# KiCad board q2v2.kicad_pcb (continued)
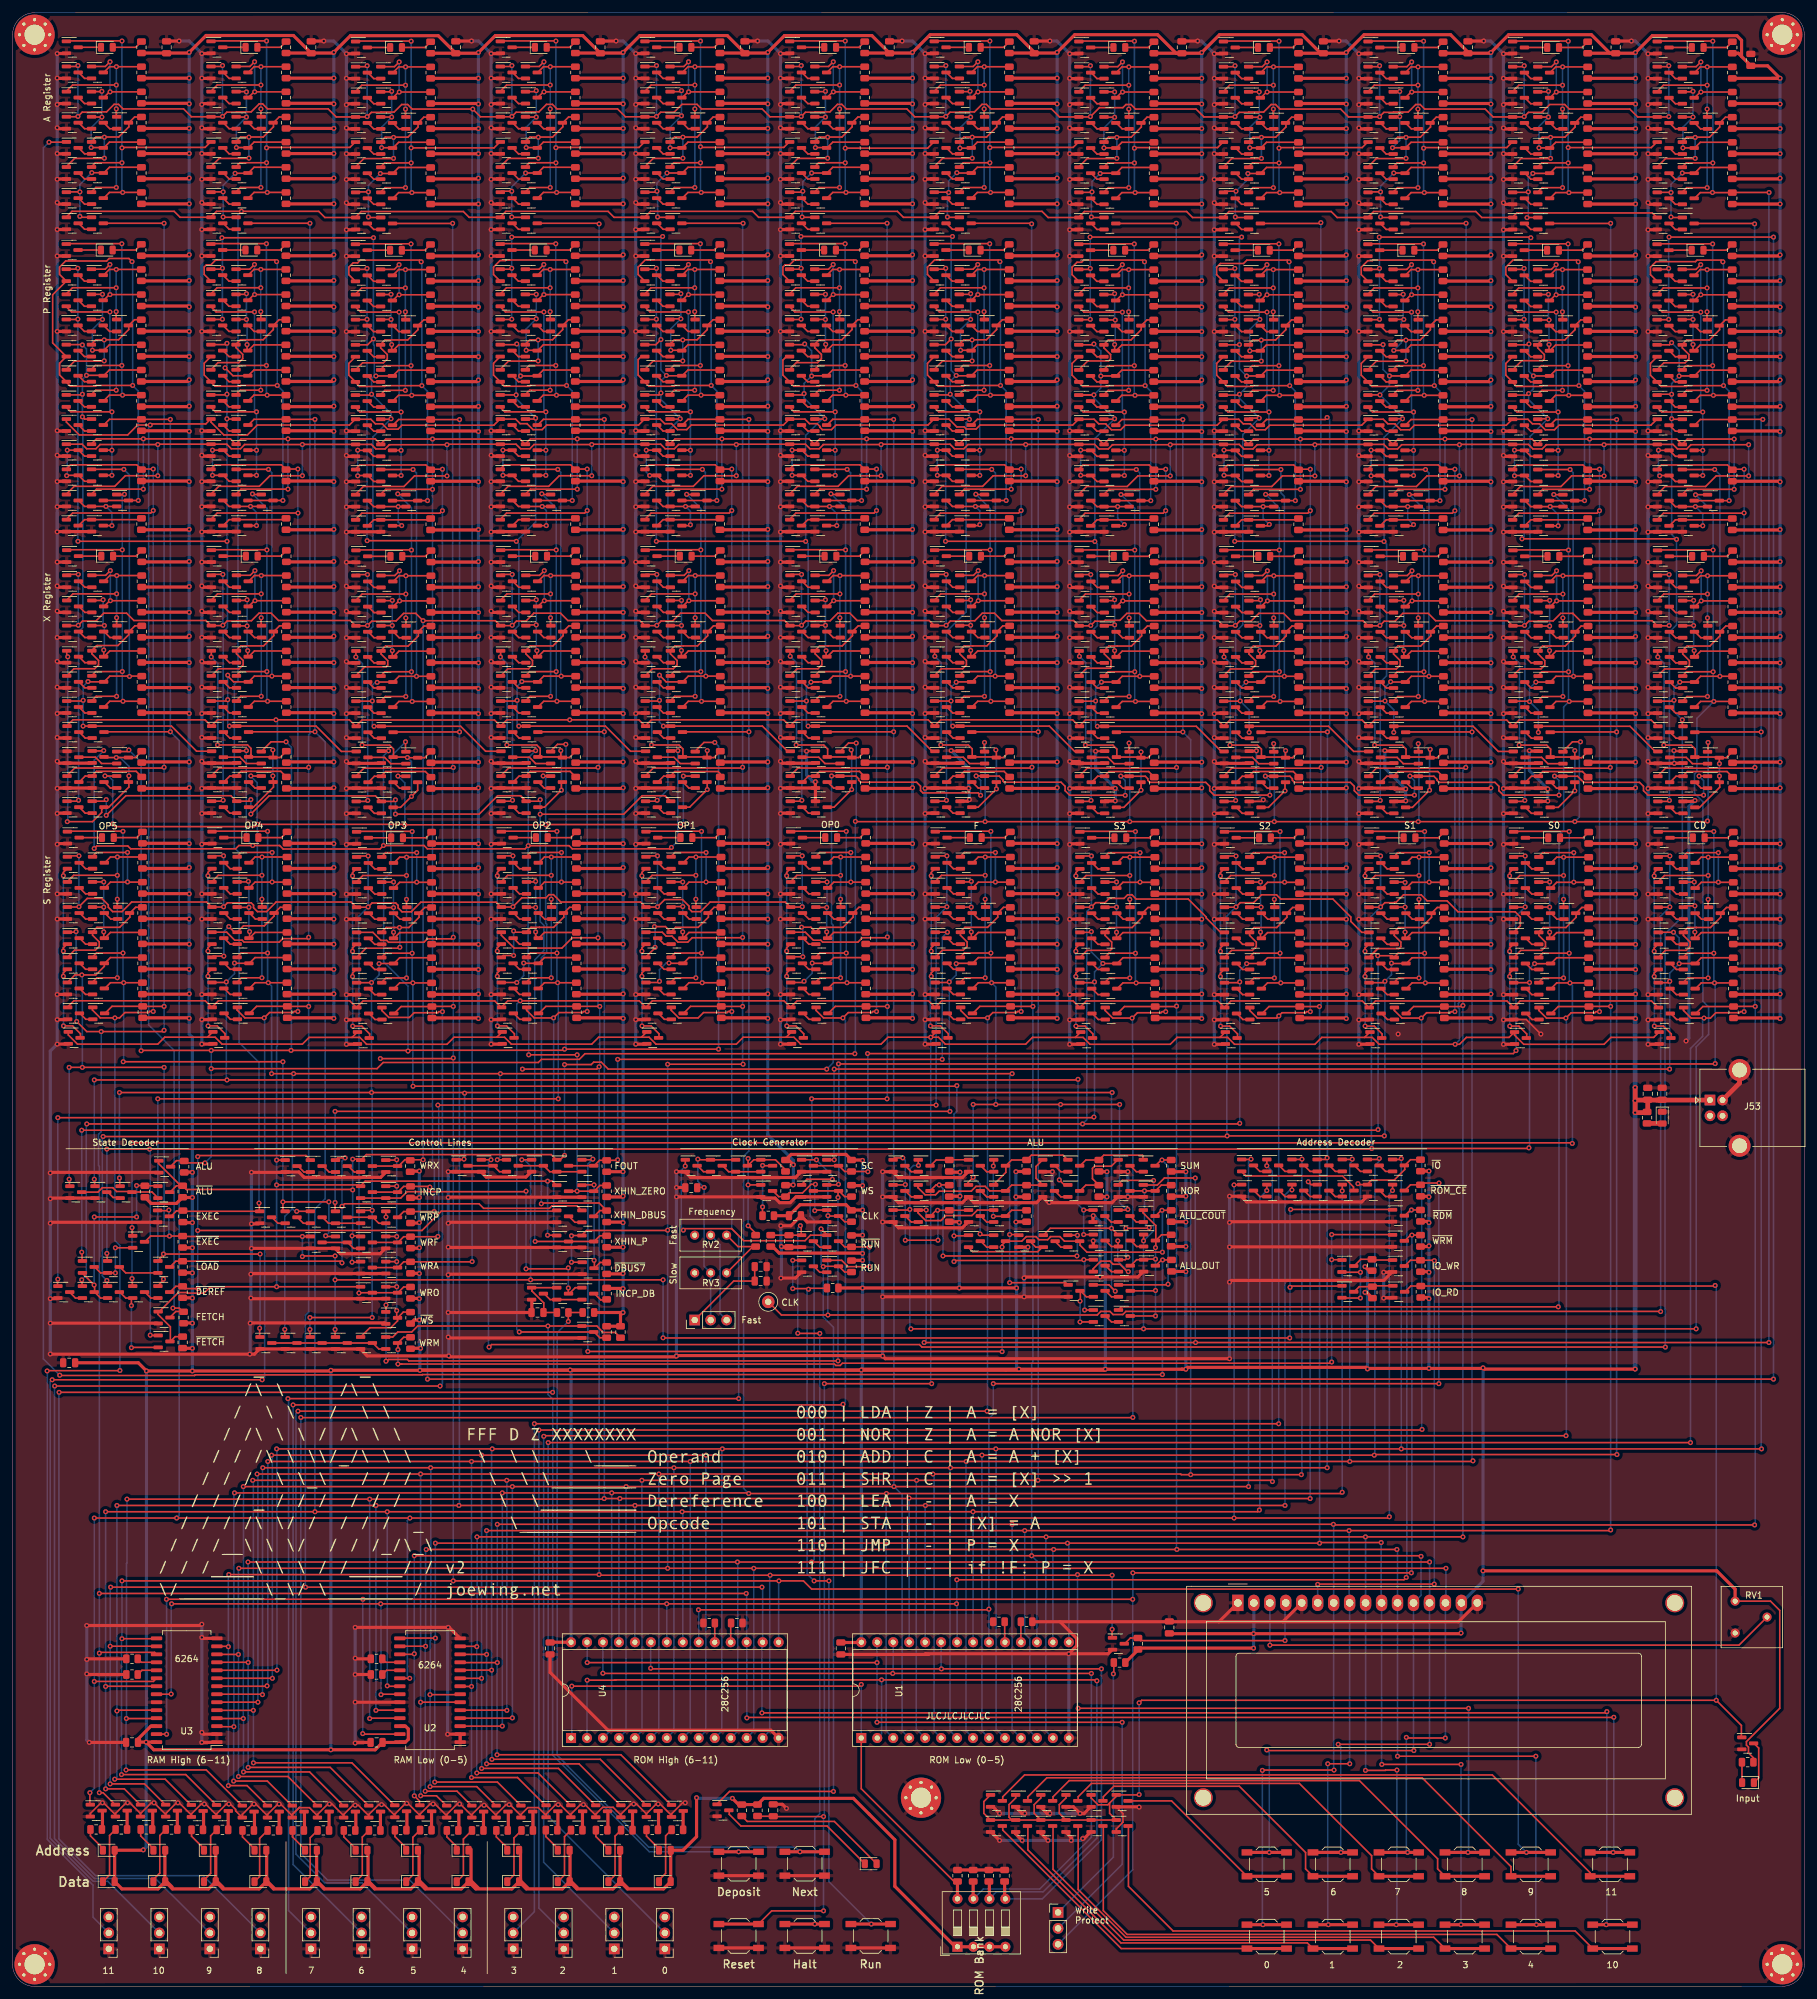
[diagram p0: board, top side]
## Routing (per net, layer and track width the routed paths; a pad name or vN(x,y) marks a point on that pad's centre or on a via; arc(x,y) is an arc through that point) (continued)
  Bottom w0.25: v1(153.27,192.59) 153.99,191.88 v1(153.99,189.51) ; v1(199.27,192.57) 199.99,191.86 v1(199.99,189.54) ; v1(176.27,192.57) 176.99,191.86 v1(176.99,189.51) ; v1(268.27,192.57) 268.99,191.86 v1(268.99,189.54) ; v1(222.27,192.57) 222.99,191.86 v1(222.99,189.54) ; v1(245.27,192.57) 245.99,191.86 v1(245.99,189.54) ; v1(54.1,131.63) v1(54.1,126.73) 54.1,119.53 v1(54,119.43) v1(54,115.23) ; 130.54,168.26 130.54,164.07 ; 130.54,168.26 130.54,168.83 130.27,169.09 v1(130.27,192.59) ; 130.54,168.26 130.54,168.26 130.54,146.99 v1(129.5,145.95) ; v1(87.8,132.23) v1(87.8,146.68)
~{ALU_COUT}: length 153.3
  Top w0.25: Q212.1 92.2,131.53 v1(92.3,131.63) ; R118.2 v1(182.84,123.49) 182.71,123.49 181.8,122.58 ; v1(182.9,116.83) 170.9,116.83 169.8,117.93 169.8,118.58 167.31,118.58 166.59,119.3 165.09,119.3 165.09,119.24 164.65,118.8 163.28,118.8 162.78,119.3 161.25,119.3 160.53,118.58 158,118.58 157.4,117.98 v1(157.4,117.63) ; v1(157.4,101) 157.38,101.03 v1(91.5,101.03)
  Bottom w0.25: v1(92.3,131.63) 91.5,130.83 v1(91.5,101.03) ; 157.4,100.73 v1(157.4,117.63) ; v1(182.84,123.49) 182.9,123.43 v1(182.9,116.83)
~{CDIV}: length 184.8
  Top w0.25: 267.71,162.76 268.62,163.67 R459.2 ; Q227.1 v1(130.7,131.53) ; Q1102.1 263.38,159.71 v1(263.6,159.93) ; v1(265.1,162.73) 265.13,162.76 Q1105.3 ; v1(264.2,167.73) 261.79,167.73 ; v1(130.7,145.95) v1(263.57,145.95)
  Bottom w0.25: v1(265.1,162.73) 265.1,166.83 v1(264.2,167.73) ; v1(265.1,162.73) 264.92,162.73 ; v1(265.1,162.73) 263.6,161.23 v1(263.6,159.93) 263.6,145.98 v1(263.57,145.95) ; v1(130.7,145.95) 130.67,145.92 130.67,131.47
~{DBUS7}: length 17.5
  Top w0.25: v1(92.49,127.54) 90.56,127.54 ; R85.2 93.46,115.19 92.55,114.28 92.55,115.48 v1(92.5,115.53)
  Bottom w0.25: v1(92.5,115.53) 92.5,127.53 v1(92.49,127.54)
~{DBUS8}: length 31.9
  Top w0.25: v1(202.4,55.03) 179.41,55.03 R481.2 177.81,55.44 176.9,54.53
  Bottom w0.25: v1(202.4,55.03) 202.4,60.91
~{DEP_SW}: length 149.8
  Top w0.25: R477.2 95.86,104.05 93.96,104.05 92.94,105.08 v1(85.15,105.08) 64.44,105.08 63.49,104.13 61.27,104.13 60.47,103.33 59.3,103.33
  Top w0.5: SW5.1 v1(115.5,21.43) SW5.1
  Bottom w0.25: v1(85.15,105.08) 85.17,105.05 85.17,94.18 85.93,93.43 85.93,63.45 85.9,63.43 85.9,36.83 101.3,21.43 v1(115.5,21.43)
~{F}: length 148.9
  Top w0.25: 152.71,162.78 153.62,163.69 R289.2 ; 51.3,123.33 v1(51.3,124.73) ; v1(149,159.83) 148.91,159.73 Q687.1 ; v1(51.3,139.23) v1(149.1,139.23) ; v1(150.1,162.73) 150.16,162.78 Q690.3
  Bottom w0.25: v1(149.1,139.23) 149,139.33 v1(149,159.83) 150.1,160.93 v1(150.1,162.73) ; v1(51.3,124.73) v1(51.3,139.23)
~{INCP_SW}: length 125.4
  Top w0.25: 90.64,107.23 88.46,107.23 ; v1(88.4,105.8) 88.4,107.16
  Top w0.5: SW8.1 SW8.1
  Bottom w0.25: 88.27,35.09 88.27,35.16 86.6,36.83 86.63,36.85 86.63,104.03 v1(88.4,105.8) ; 88.27,35.09 87.71,35.65 ; 88.27,35.09 101.21,22.15 124.52,22.15 v1(125.25,21.43)
~{IO}: length 36.4
  Top w0.25: 215.45,127.58 216.18,128.3 219.78,128.3 221.45,129.98 221.45,130.63 222.36,131.54 R470.2 ; v1(214,127.73) 214.15,127.58 Q1114.1 ; v1(214.4,109.53) 211.45,109.53 ; v1(214.4,113.63) 211.45,113.63
  Bottom w0.25: v1(214.4,109.53) v1(214.4,113.63) 214.4,127.33 v1(214,127.73)
~{OP3}: length 316.5
  Top w0.25: 60.66,162.76 61.57,163.67 R153.2 ; 70.5,131.53 71.7,131.53 v1(71.8,131.63) ; Q355.1 57.08,159.71 v1(57.1,159.73) ; v1(174.9,142.23) 72,142.23 v1(71.9,142.13) 71.8,142.23 v1(57.1,142.23) v1(17,142.23) ; Q277.1 174.4,111.63 v1(175.4,110.63) ; v1(17,128.63) 17.05,128.58 17.05,127.33 ; Q358.3 58.33,162.76 v1(58.3,162.73) ; 175.8,119.63 v1(174.8,120.63) 165.06,120.63 Q268.1 ; v1(57.2,106.43) v1(47.3,106.43) ; v1(57.2,123.48) 55.45,123.48 ; v1(47.3,104.53) 47.3,103.33
  Bottom w0.25: v1(57.1,142.23) 57.1,142.73 ; 57.1,142.73 v1(57.1,159.73) 58.3,160.93 v1(58.3,162.73) ; 57.1,142.73 57.2,142.63 v1(57.2,123.48) v1(57.2,106.43) ; v1(71.8,131.63) 71.9,131.73 v1(71.9,142.13) ; v1(47.3,106.43) v1(47.3,104.53) ; v1(17,128.63) v1(17,142.23) ; v1(174.9,142.23) 174.8,142.13 v1(174.8,120.63) 174.8,111.13 175.31,110.63 v1(175.4,110.63)
~{OP4}: length 231.6
  Top w0.25: 37.66,162.79 38.57,163.7 R66.2 ; v1(34,159.83) 33.91,159.74 Q156.1 ; v1(13,128.43) 13.05,128.38 13.05,127.33 ; 171.8,123.53 v1(170.37,123.53) ; v1(170.37,119.63) 171.85,119.63 ; v1(13,144.23) v1(34.1,144.23) 169.38,144.23 v1(169.47,144.33) ; v1(35.3,162.83) 35.34,162.79 Q159.3
  Bottom w0.25: v1(169.47,144.33) 169.47,124.43 v1(170.37,123.53) v1(170.37,119.63) ; v1(13,128.43) v1(13,144.23) ; v1(35.3,162.83) 35.3,161.13 v1(34,159.83) 34,144.33 v1(34.1,144.23)
~{OP5}: length 122.6
  Top w0.25: 14.66,162.79 15.57,163.7 R32.2 ; 9.05,127.33 9.05,128.38 v1(9,128.43) ; Q76.3 14.6,162.3 13.23,160.94 v1(11.01,160.94) 9.92,160.94 Q74.1 ; v1(9,146.23) v1(11.1,146.23) v1(24.1,146.23) ; v1(39.3,104.73) 39.3,103.33 ; v1(39.37,116.53) v1(24,116.53) 24,116.38 23.05,115.43
  Bottom w0.25: v1(9,146.23) v1(9,128.43) 9,128.23 ; v1(11.01,160.94) 11.1,160.85 v1(11.1,146.23) ; v1(24,116.53) 24.1,116.63 v1(24.1,146.23) ; v1(39.37,116.53) 39.37,104.8 v1(39.3,104.73)
~{RDM}: length 308.5
  Top w0.25: 22.9,46.49 25.19,46.49 v1(25.22,46.53) ; v1(150.15,60.88) v1(104.05,60.88) v1(58.55,60.88) v1(25.3,60.88) ; 61.6,46.49 58.67,46.49 v1(58.6,46.43) ; 221.45,122.63 222.36,123.54 v1(222.51,123.54) R473.2 ; v1(221.69,65.08) 221.31,64.7 v1(150.2,64.7)
  Bottom w0.25: U1.22 150.24,60.79 v1(150.15,60.88) 150.2,60.93 v1(150.2,64.7) ; v1(58.55,60.88) 58.6,60.83 v1(58.6,46.43) ; v1(104.05,60.88) 104.07,60.85 U4.22 ; v1(221.69,65.08) 221.77,65.16 221.77,122.8 v1(222.51,123.54) ; v1(25.22,46.53) 25.22,60.8 v1(25.3,60.88)
~{ROM_CE}: length 201.2
  Top w0.25: R471.2 222.36,127.54 221.45,126.63 ; v1(109.1,59.93) 155.2,59.93 v1(155.3,60.03) ; v1(226.9,127.83) 224.24,127.83 ; v1(156,95.9) v1(226.88,95.9)
  Bottom w0.25: v1(226.9,127.83) 226.88,127.8 v1(226.88,95.9) ; U4.20 109.15,59.87 v1(109.1,59.93) ; v1(156,95.9) 156,91.05 155.3,90.35 v1(155.3,60.03) 155.3,54.79
~{ROM_WE}: length 138.1
  Top w0.25: 137.54,41.99 v1(137.5,42.03) v1(176.5,42.03) ; v1(91.4,51.53) v1(137.5,51.53)
  Bottom w0.25: 137.5,54.73 v1(137.5,51.53) v1(137.5,42.03) ; SW32.2 176.5,19.44 v1(176.5,42.03) ; v1(91.4,51.53) 91.4,54.74
~{RST}: length 1075.6
  Top w0.25: 31.5,237.38 32.8,238.68 39.25,238.68 40.94,240.36 v1(46.1,240.36) ; 31.8,151.83 31,151.03 ; 100.53,237.37 101.83,238.67 108.28,238.67 109.96,240.36 v1(115.12,240.36) ; 100.82,151.82 100.03,151.02 ; 100.03,151.02 93.22,151.02 92.12,149.92 79.31,149.92 ; 100.03,151.02 101.25,151.02 102.35,149.92 ; 77.53,237.37 78.83,238.67 85.28,238.67 86.96,240.36 v1(92.12,240.36) ; 77.82,151.82 77.03,151.02 ; 77.03,151.02 78.25,151.02 79.35,149.92 ; 77.03,151.02 70.22,151.02 69.1,149.9 56.29,149.9 ; 54.5,237.35 55.8,238.65 62.25,238.65 63.94,240.33 v1(69.1,240.33) ; 54.8,151.8 54,151 ; 54,151 55.23,151 56.33,149.9 ; 54,151 47.17,151 46.1,149.93 33.29,149.93 ; 261.55,237.35 262.85,238.65 269.3,238.65 270.99,240.33 v1(276.15,240.33) ; 146.85,151.82 v1(146.05,151.02) ; v1(146.05,151.02) 147.28,151.02 148.38,149.92 ; v1(146.05,151.02) 139.25,151.02 138.15,149.92 125.34,149.92 125.34,149.96 124.28,151.02 123.05,151.02 ; v1(184.15,240.33) 178.99,240.33 177.3,238.65 170.85,238.65 169.55,237.35 ; 215.55,237.35 216.85,238.65 223.3,238.65 224.99,240.33 v1(230.15,240.33) ; 192.85,151.8 192.05,151 ; 192.05,151 193.28,151 194.38,149.9 207.15,149.9 208.25,151 215.05,151 ; 192.05,151 185.25,151 184.15,149.9 171.34,149.9 ; v1(207.15,240.33) 201.99,240.33 200.3,238.65 193.85,238.65 192.55,237.35 ; 169.85,151.8 169.05,151 ; 169.05,151 162.22,151 161.15,149.92 148.34,149.92 ; 169.05,151 170.28,151 171.38,149.9 ; v1(161.15,240.36) 155.99,240.36 154.3,238.67 147.85,238.67 146.55,237.37 ; 123.85,151.82 123.05,151.02 ; 123.05,151.02 116.22,151.02 115.12,149.92 102.31,149.92 ; 238.55,237.35 239.85,238.65 246.3,238.65 247.99,240.33 v1(253.15,240.33) ; 261.85,151.8 261.05,151 254.25,151 253.15,149.9 240.38,149.9 238.91,151.36 Q518.1 ; 238.85,151.8 238.05,151 231.25,151 230.15,149.9 v1(229.47,149.9) 217.34,149.9 ; v1(138.15,240.36) 132.99,240.36 131.3,238.67 124.85,238.67 123.55,237.37 ; 215.85,151.8 215.05,151 ; 215.05,151 216.28,151 217.38,149.9 ; 105.95,245.32 105.28,244.65 103.81,244.65 103.09,245.37 92.18,245.37 v1(92.12,245.32) 82.91,245.32 ; 174.97,245.3 174.3,244.62 172.84,244.62 172.11,245.35 161.18,245.35 v1(161.15,245.32) 151.94,245.32 ; 36.89,245.33 v1(46.1,245.33) 46.12,245.35 57.06,245.35 57.79,244.62 59.25,244.62 59.93,245.3 ; 220.94,245.3 v1(230.15,245.3) 230.2,245.35 241.11,245.35 241.84,244.62 243.3,244.62 243.97,245.3 ; Q1.1 8.86,151.38 10.32,149.93 23.1,149.93 24.2,151.03 32.22,151.03 33.32,149.93 ; 151.98,245.32 151.3,244.65 149.84,244.65 149.11,245.37 138.2,245.37 v1(138.15,245.32) 128.94,245.32 128.94,245.28 128.3,244.65 126.84,244.65 126.11,245.37 115.18,245.37 v1(115.12,245.32) 105.91,245.32 ; 243.94,245.26 243.94,245.3 v1(253.15,245.3) 253.2,245.35 264.11,245.35 264.84,244.62 266.3,244.62 266.94,245.26 266.94,245.3 v1(276.15,245.3) ; 8.5,245.38 11.06,245.38 11.79,244.65 13.25,244.65 13.93,245.33 ; 36.93,245.33 36.25,244.65 34.79,244.65 34.06,245.38 23.15,245.38 v1(23.1,245.33) 13.89,245.33 ; 197.98,245.3 197.3,244.62 195.84,244.62 195.11,245.35 184.2,245.35 v1(184.15,245.3) 174.94,245.3 ; v1(23.1,240.36) 17.94,240.36 16.25,238.68 9.8,238.68 8.5,237.38 ; SW4.1 120.75,12.03 v1(129,12.03) ; 59.89,245.3 v1(69.1,245.3) 69.17,245.37 80.09,245.37 80.81,244.65 82.28,244.65 82.95,245.32 ; 197.94,245.3 v1(207.15,245.3) 207.2,245.35 218.11,245.35 218.84,244.62 220.3,244.62 220.97,245.3 ; v1(146.2,95.9) v1(129.12,95.9) ; v1(129,27.03) 121.05,27.03 ; C23.2 118.54,27.08 ; 238.85,151.52 238.85,151.85
  Top w0.5: SW4.1 SW4.1
  Bottom w0.25: v1(46.1,245.33) v1(46.1,240.36) ; v1(115.12,245.32) v1(115.12,240.36) ; v1(92.12,245.32) v1(92.12,240.36) ; v1(69.1,245.3) v1(69.1,240.33) ; v1(184.15,245.3) v1(184.15,240.33) ; v1(207.15,245.3) v1(207.15,240.33) ; v1(161.15,245.32) v1(161.15,240.36) ; v1(138.15,245.32) v1(138.15,240.36) ; v1(276.15,245.3) v1(276.15,240.33) ; v1(253.15,245.3) v1(253.15,240.33) ; v1(230.15,245.3) v1(230.15,240.33) 230.15,156.59 229.97,156.42 229.97,155.72 230.15,155.55 230.15,150.58 v1(229.47,149.9) ; v1(129.12,95.9) 129.12,27.15 v1(129,27.03) v1(129,12.03) ; v1(146.2,95.9) 146.05,96.05 v1(146.05,151.02) ; v1(23.1,245.33) v1(23.1,240.36)
~{S0}: length 394.3
  Top w0.25: 244.71,162.76 245.62,163.67 R425.2 ; v1(217.61,179.86) 215.86,179.86 ; 215.71,171.71 217.56,171.71 v1(217.61,171.76) 218.29,172.43 219.77,172.43 219.82,172.48 220.06,172.48 221.26,173.68 224.06,173.68 225.01,172.73 228.18,172.73 229.92,170.98 239.03,170.98 239.03,170.96 239.84,170.16 239.84,168.77 Q1030.1 ; 15.05,115.43 15.05,116.58 v1(15,116.63) ; 23.1,103.58 21.95,103.58 v1(21.9,103.63) ; v1(242.1,162.73) 244.62,162.73 ; Q1019.1 241.28,159.71 v1(241.3,159.73) ; v1(15,133.23) v1(21.8,133.23) 216.1,133.23 v1(216.2,133.33) 241,133.33 241.2,133.53
  Bottom w0.25: v1(217.61,179.86) v1(217.61,171.76) 216.08,170.23 216.08,167.41 216.15,167.34 216.15,133.38 v1(216.2,133.33) ; v1(15,116.63) v1(15,133.23) ; v1(242.1,162.73) 241.3,161.93 v1(241.3,159.73) 241.3,133.63 241.2,133.53 ; v1(21.8,133.23) 21.9,133.13 v1(21.9,103.63)
  vias: v1(241.2,133.43)
~{S1}: length 341
  Top w0.25: v1(194.61,179.86) 192.86,179.86 ; R391.2 222.62,163.67 221.71,162.76 ; 192.71,171.71 194.56,171.71 v1(194.61,171.76) 195.28,172.43 197.41,172.43 198.66,173.68 201.06,173.68 201.73,173.01 210.01,173.01 212.88,170.14 212.88,169.45 214.62,167.71 215.71,167.71 ; v1(15,112.33) 15.05,112.28 15.05,111.43 ; v1(218.3,159.93) 218.08,159.71 Q936.1 ; Q939.3 219.39,162.76 v1(219.34,162.81) ; v1(218.2,135.33) v1(193.2,135.33) 193.1,135.23 v1(14.4,135.23)
  Bottom w0.25: v1(194.61,179.86) v1(194.61,171.76) 193.09,170.23 193.09,167.41 193.15,167.34 193.15,135.38 v1(193.2,135.33) ; v1(15,112.33) 14.27,113.05 14.27,135.1 v1(14.4,135.23) ; v1(219.34,162.81) 219.34,160.96 v1(218.3,159.93) 218.3,135.43 v1(218.2,135.33)
~{S2}: length 317.5
  Top w0.25: 198.71,162.76 199.62,163.67 R357.2 ; 169.71,171.71 171.56,171.71 v1(171.61,171.76) 172.28,172.43 173.77,172.43 174.45,173.11 176.79,173.11 177.36,173.68 178.06,173.68 ; v1(171.61,179.86) 169.86,179.86 ; v1(195.2,137.33) 195.1,137.23 v1(170.2,137.23) v1(11.8,137.23) ; v1(195.2,159.83) 195.08,159.71 Q853.1 ; v1(11,112.43) 11.05,112.38 11.05,111.43 ; v1(196.3,162.73) 196.33,162.76 Q856.3 ; 178.01,173.73 178.73,173.01 187.01,173.01 189.88,170.14 189.88,170 192.17,167.71
  Bottom w0.25: v1(171.61,179.86) v1(171.61,171.76) 170.87,171.02 170.87,137.9 v1(170.2,137.23) ; v1(195.2,137.33) v1(195.2,159.83) 195.2,161.63 v1(196.3,162.73) ; v1(11,112.43) 11.73,113.15 11.73,137.15 v1(11.8,137.23)
~{S3}: length 235.4
  Top w0.25: R323.2 176.62,163.67 175.71,162.76 ; 7.15,111.43 7.15,112.48 v1(7.2,112.53) ; Q770.1 171.98,159.71 v1(172.1,159.83) ; v1(171.6,167.83) 171.48,167.71 Q781.1 ; v1(172,138.33) 171.9,138.23 v1(7.2,138.23) ; Q773.3 v1(173.43,162.76)
  Bottom w0.25: v1(171.6,167.83) 171.6,164.59 v1(173.43,162.76) 172.1,161.43 v1(172.1,159.83) 172.1,138.43 ; v1(172,138.33) 172.15,138.48 ; v1(7.2,112.53) v1(7.2,138.23)
~{START_SW}: length 124.5
  Top w0.25: v1(124.1,111.03) 126.5,111.03 v1(126.6,110.93) 126.75,111.08 129.54,111.08 ; v1(127.5,64.53) v1(129.85,64.53) ; Q239.1 v1(124.1,115.53)
  Top w0.5: 133.55,9.93 v1(136.6,9.93) 139.85,9.93
  Bottom w0.25: v1(127.5,64.53) 126.37,65.65 126.37,110.7 v1(126.6,110.93) ; v1(129.85,64.53) 129.85,16.68 v1(136.6,9.93) ; v1(124.1,115.53) v1(124.1,111.03)
~{STOP_SW}: length 127.4
  Top w0.25: v1(125.31,121.04) 125.45,120.9 125.45,119.53 120.99,119.53 ; v1(124.9,103.93) 124.93,103.9 v1(128.4,103.9)
  Top w0.5: 129,9.93 v1(127.6,9.93) 122.7,9.93
  Bottom w0.25: v1(127.6,9.93) 127.6,26.7 128.4,27.5 v1(128.4,103.9) ; v1(124.9,103.93) 124.9,120.63 v1(125.31,121.04)
~{SW0}: length 462.4
  Top w0.25: v1(275.43,241.4) 273.64,241.4 ; R447.2 272.79,242.07 262.28,242.07 261.55,241.35 ; v1(275.43,155.1) 274.86,155.1 274.68,154.92 270.93,154.92 270.08,154.07 v1(269.06,154.07) 267,154.07 265.81,155.26 Q1031.1 ; v1(85.2,86.53) v1(266.9,86.53) ; v1(275.43,234.44) 275.38,234.4 262.6,234.4 261.55,233.35 ; 265.75,155.75 265.75,155.36
  Bottom w0.25: v1(275.43,241.4) v1(275.43,234.44) v1(275.43,155.1) 275.55,155.22 ; v1(85.2,86.53) 85.2,27.07 SW23.2 ; v1(266.9,86.53) 266.9,149.23 268.82,151.15 268.82,153.84 v1(269.06,154.07)
~{SW1}: length 439.8
  Top w0.25: R413.2 249.79,242.07 239.28,242.07 238.55,241.35 ; v1(252.43,241.4) 250.64,241.4 ; v1(252.43,234.8) 252.03,234.4 239.6,234.4 238.55,233.35 ; 242.75,155.36 242.75,155.75 ; v1(252.43,155.1) 251.86,155.1 251.68,154.92 247.93,154.92 v1(247.08,154.07) 244,154.07 242.81,155.25 Q948.1 ; v1(84.5,87.53) 84.6,87.63 v1(247.1,87.63)
  Bottom w0.25: 252.55,155.22 v1(252.43,155.1) v1(252.43,234.8) ; v1(252.43,234.8) v1(252.43,241.4) ; v1(252.43,234.8) 252.55,234.8 ; v1(247.08,154.07) 247.15,154 247.15,87.58 v1(247.1,87.63) ; v1(84.5,87.53) 84.47,87.5 84.47,19.75 SW22.2
~{SW2}: length 414.5
  Top w0.25: v1(229.43,155.1) 228.86,155.1 228.68,154.92 224.93,154.92 v1(224.08,154.07) 221,154.07 219.81,155.26 Q865.1 ; 215.55,233.35 216.6,234.4 229.03,234.4 v1(229.43,234.8) ; R379.2 226.79,242.07 216.28,242.07 215.55,241.35 ; v1(229.43,241.4) 227.64,241.4 ; 219.75,155.36 219.75,155.75 ; v1(83.72,88.53) 224.1,88.53 v1(224.2,88.63)
  Bottom w0.25: 229.55,155.22 v1(229.43,155.1) v1(229.43,234.8) ; 229.55,234.8 v1(229.43,234.8) ; v1(229.43,234.8) v1(229.43,241.4) ; v1(224.2,88.63) 224.15,88.68 224.15,154 v1(224.08,154.07) ; v1(83.72,88.53) 83.73,88.53 83.73,12.46 SW21.2
~{SW3}: length 392.6
  Top w0.25: R345.2 203.79,242.07 193.28,242.07 192.55,241.35 ; v1(206.43,155.1) 205.86,155.1 205.68,154.92 201.93,154.92 v1(201.42,154.41) 201.08,154.07 198,154.07 196.81,155.26 Q782.1 ; v1(206.43,241.4) 204.64,241.4 ; 196.75,155.36 196.75,155.75 ; 192.55,233.35 193.6,234.4 206.03,234.4 v1(206.43,234.8) ; v1(83,89.53) v1(201.4,89.53)
  Bottom w0.25: v1(206.43,234.8) v1(206.43,241.4) ; v1(206.43,234.8) 206.55,234.8 ; v1(206.43,234.8) v1(206.43,155.1) 206.55,155.22 ; SW20.2 83,11.89 v1(83,89.53) ; v1(201.4,89.53) 201.4,154.4 v1(201.42,154.41)
~{SW4}: length 423.3
  Top w0.25: v1(183.43,234.8) 183.03,234.4 170.6,234.4 169.55,233.35 ; R311.2 180.79,242.07 170.28,242.07 169.55,241.35 ; v1(183.43,241.4) 181.64,241.4 ; v1(183.43,155.1) 182.86,155.1 182.68,154.92 178.93,154.92 v1(178.08,154.07) 175,154.07 173.81,155.25 Q699.1 ; 173.75,155.36 173.75,155.75 ; v1(45.85,90.53) 45.88,90.5 178.17,90.5 v1(178.2,90.53)
  Bottom w0.25: 183.55,155.22 v1(183.43,155.1) v1(183.43,234.8) ; v1(178.08,154.07) 178.15,154 178.15,149.1 178.2,149.05 v1(178.2,90.53) ; v1(183.43,234.8) v1(183.43,241.4) ; v1(183.43,234.8) 183.55,234.8 ; SW19.2 63.18,16.93 50.1,16.93 45.85,21.18 45.85,90.63
~{SW5}: length 393.1
  Top w0.25: v1(160.43,155.12) 159.86,155.12 159.68,154.95 155.93,154.95 v1(155.08,154.1) 152,154.1 150.81,155.29 Q616.1 ; 146.55,241.37 147.28,242.1 157.79,242.1 R277.2 ; v1(160.43,234.82) 160.03,234.42 147.6,234.42 146.55,233.37 ; v1(160.43,241.42) 158.64,241.42 ; v1(45.4,91.53) v1(155,91.53)
  Bottom w0.25: 155.15,154.02 v1(155.08,154.1) 155.08,91.6 v1(155,91.53) ; 160.55,155.25 v1(160.43,155.12) v1(160.43,234.82) ; 160.55,234.82 v1(160.43,234.82) ; v1(160.43,234.82) v1(160.43,241.42) ; v1(45.4,91.53) 45.08,91.2 45.08,21.05 49.65,16.48 55.59,16.48 SW18.2
~{SW6}: length 364.3
  Top w0.25: v1(137.43,155.12) 136.86,155.12 136.68,154.95 132.93,154.95 v1(132.08,154.1) 129,154.1 127.81,155.28 Q533.1 ; v1(137.43,241.42) 135.64,241.42 ; 123.55,241.37 124.28,242.1 134.79,242.1 R243.2 ; v1(137.43,234.82) 137.03,234.42 124.6,234.42 123.55,233.37 ; v1(132.1,92.63) 132,92.53 v1(44.62,92.53)
  Bottom w0.25: 137.55,234.82 v1(137.43,234.82) ; v1(137.43,234.82) v1(137.43,241.42) ; v1(137.43,234.82) v1(137.43,155.12) 137.55,155.25 ; v1(132.08,154.1) 132.47,153.7 132.47,93 v1(132.1,92.63) ; SW17.2 44.62,19.39 v1(44.62,92.53)
~{SW7}: length 347.2
  Top w0.25: 100.53,241.37 101.25,242.1 111.76,242.1 R209.2 ; 104.72,155.39 104.72,155.77 ; 100.53,233.37 101.58,234.42 114,234.42 v1(114.4,234.82) ; v1(114.4,241.42) 112.61,241.42 ; v1(114.4,155.12) 113.83,155.12 113.66,154.95 109.9,154.95 109.05,154.1 105.97,154.1 104.79,155.28 Q450.1 ; v1(43.8,93.53) v1(115.5,93.53)
  Bottom w0.25: 114.53,234.82 v1(114.4,234.82) ; v1(114.4,234.82) v1(114.4,241.42) ; v1(114.4,234.82) v1(114.4,155.12) ; 114.53,155.25 v1(114.4,155.12) ; v1(114.4,155.12) 114.4,120.55 115.5,119.45 v1(115.5,93.53) ; v1(43.8,93.53) 43.9,93.43 43.9,12.08 SW16.2
~{SW8}: length 374.4
  Top w0.25: 77.53,241.37 78.25,242.1 88.76,242.1 R175.2 ; 81.72,155.39 81.72,155.77 ; 77.53,233.37 78.58,234.42 91,234.42 v1(91.4,234.82) ; v1(91.4,241.42) 89.61,241.42 ; v1(91.4,155.12) 90.83,155.12 90.66,154.95 86.9,154.95 v1(86.05,154.1) 82.97,154.1 81.79,155.28 Q367.1 ; v1(7.4,94.53) v1(85.9,94.53)
  Bottom w0.25: 91.53,234.82 v1(91.4,234.82) ; v1(91.4,234.82) v1(91.4,241.42) ; v1(91.4,234.82) v1(91.4,155.12) 91.53,155.25 ; v1(86.05,154.1) 86.12,154.02 ; 86.08,154.07 86.08,94.7 v1(85.9,94.53) ; v1(7.4,94.53) 7.37,94.5 7.37,23.45 13.2,17.63 30.31,17.63 SW12.2
~{SW9}: length 350.8
  Top w0.25: 54.5,241.35 55.23,242.07 65.74,242.07 R141.2 ; 58.7,155.36 58.7,155.75 ; 54.5,233.35 55.55,234.4 67.98,234.4 v1(68.38,234.8) ; v1(68.38,241.4) 66.59,241.4 ; v1(68.38,155.1) 67.81,155.1 67.63,154.92 63.88,154.92 63.12,154.17 59.85,154.17 58.76,155.25 Q284.1 ; v1(6.7,95.53) v1(68,95.53)
  Bottom w0.25: 68.5,234.8 v1(68.38,234.8) ; v1(68.38,234.8) v1(68.38,241.4) ; v1(68.38,234.8) v1(68.38,155.1) ; 68.5,155.22 v1(68.38,155.1) ; v1(68.38,155.1) 68.38,95.9 v1(68,95.53) ; v1(6.7,95.53) 6.67,95.5 6.67,23.51 13.01,17.18 22.72,17.18 SW9.2
~{SW10}: length 314.2
  Top w0.25: 31.5,241.38 32.23,242.1 42.74,242.1 R54.2 ; v1(45.38,241.43) 43.59,241.43 ; v1(45.38,155.13) 44.81,155.13 44.63,154.95 40.88,154.95 v1(40.03,154.1) 36.95,154.1 35.7,155.35 35.7,155.78 ; v1(6.3,96.53) 39.6,96.53 39.7,96.63 ; 31.5,233.38 32.55,234.43 v1(45.4,234.43)
  Bottom w0.25: v1(45.38,241.43) v1(45.38,155.13) 45.5,155.25 ; v1(40.03,154.1) 40.1,154.03 40.1,96.93 v1(39.7,96.53) ; v1(6.3,96.53) 5.97,96.2 5.97,23.58 12.83,16.73 15.13,16.73 SW3.2
~{SW11}: length 288
  Top w0.25: v1(22.38,241.43) 20.59,241.43 ; v1(5.5,97.93) 5.55,97.98 17.05,97.98 v1(17.08,98) ; v1(22.38,155.13) 21.81,155.13 21.63,154.95 17.88,154.95 17.03,154.1 v1(16.27,154.1) 13.95,154.1 12.7,155.35 12.7,155.78 ; v1(22.38,234.83) 21.98,234.43 9.55,234.43 8.5,233.38 ; 8.5,241.38 9.23,242.1 19.74,242.1 R21.2
  Bottom w0.25: v1(22.38,234.83) v1(22.38,155.13) 22.5,155.25 ; v1(22.38,234.83) v1(22.38,241.43) ; v1(22.38,234.83) 22.5,234.83 ; v1(5.5,97.93) 5.52,97.9 5.52,23.39 12.8,16.12 12.8,11.02 SW2.2 ; v1(16.27,154.1) 16.27,118.67 17.08,117.87 v1(17.08,98)
~{WRM}: length 369.1
  Top w0.25: v1(222.5,65.8) v1(178.2,65.8) ; v1(24.5,40.13) 24.48,40.14 U3.27 ; v1(55.7,40.23) 55.78,40.14 U2.27 ; v1(24.47,61.6) v1(55.72,61.6) v1(178.18,61.6) ; R472.2 v1(222.59,119.54) 222.36,119.54 221.45,118.63
  Bottom w0.25: SW32.3 178.18,18.57 v1(178.18,61.6) 178.2,61.63 v1(178.2,65.8) ; v1(222.5,65.8) 222.59,65.89 v1(222.59,119.54) ; v1(55.7,40.23) 55.7,61.58 v1(55.72,61.6) ; v1(24.5,40.13) 24.5,61.58 v1(24.47,61.6)
~{WRP}: length 590.5
  Top w0.25: 35.5,237.38 36.35,238.23 v1(43.8,238.23) ; 104.53,237.37 105.38,238.22 v1(112.82,238.22) ; 81.53,237.37 82.38,238.22 v1(89.82,238.22) ; 58.5,237.35 59.35,238.2 v1(66.8,238.2) ; 58.5,245.35 59.35,246.2 v1(66.8,246.2) 80.7,246.2 81.53,245.37 82.38,246.22 v1(89.82,246.22) 103.68,246.22 104.53,245.37 105.38,246.22 v1(112.82,246.22) 126.7,246.22 127.55,245.37 128.4,246.22 v1(135.85,246.22) 149.7,246.22 150.55,245.37 151.4,246.22 v1(158.85,246.22) 172.68,246.22 173.55,245.35 174.4,246.2 v1(181.85,246.2) 195.7,246.2 196.55,245.35 197.4,246.2 v1(204.85,246.2) 218.7,246.2 219.55,245.35 220.4,246.2 v1(227.85,246.2) 241.7,246.2 242.55,245.35 243.4,246.2 v1(250.85,246.2) 264.7,246.2 265.55,245.35 266.4,246.2 v1(273.85,246.2) ; v1(273.85,238.2) 266.4,238.2 265.55,237.35 ; 150.55,237.37 151.4,238.22 v1(158.85,238.22) ; 196.55,237.35 197.4,238.2 v1(204.85,238.2) ; 127.55,237.37 128.4,238.22 v1(135.85,238.22) ; v1(250.85,238.2) 243.4,238.2 242.55,237.35 ; v1(181.85,238.2) 174.4,238.2 173.55,237.35 ; 219.55,237.35 220.4,238.2 v1(227.85,238.2) ; 12.5,237.38 13.35,238.23 v1(20.8,238.23) ; v1(67.06,123.29) R89.2 62.21,123.29 61.3,122.38 ; 12.5,245.38 13.35,246.23 v1(20.8,246.23) 34.65,246.23 35.5,245.38 36.35,246.23 v1(43.8,246.23) 57.68,246.23 Q328.1
  Bottom w0.25: v1(43.8,238.23) v1(43.8,246.23) ; v1(112.82,238.22) v1(112.82,246.22) ; v1(89.82,238.22) v1(89.82,246.22) ; v1(135.85,238.22) v1(135.85,246.22) ; v1(181.85,238.2) v1(181.85,246.2) ; v1(227.85,238.2) v1(227.85,246.2) ; v1(204.85,238.2) v1(204.85,246.2) ; v1(158.85,238.22) v1(158.85,246.22) ; v1(273.85,238.2) v1(273.85,246.2) ; v1(250.85,238.2) v1(250.85,246.2) ; v1(66.8,246.2) 66.8,130.63 67.1,130.33 67.1,123.33 v1(67.06,123.29) ; v1(20.8,238.23) v1(20.8,246.23)
~{X0}: length 377.6
  Top w0.25: 265.55,241.35 v1(270.75,241.35) ; 267.6,207.54 268.51,208.45 v1(271.58,208.45) R443.2 ; Q1064.3 265.21,207.54 v1(265.2,207.53) ; Q220.1 v1(76.1,131.53) ; v1(264.27,204.63) 264.13,204.49 Q1061.1 ; v1(262.9,101.73) 144.65,101.73 144.25,102.13 76.2,102.13 v1(75.8,101.73) ; v1(265.6,201.53) 265.6,200.61
  Bottom w0.25: v1(270.75,241.35) 271.58,240.52 v1(271.58,208.45) ; v1(76.1,131.53) 75.7,131.13 75.7,101.83 v1(75.8,101.73) ; v1(265.2,207.53) 264.27,206.6 v1(264.27,204.63) 264.27,202.85 v1(265.6,201.53) 265.6,170.2 262.87,167.47 262.87,158.85 262.85,158.83 262.85,107.75 262.9,107.7 v1(262.9,101.73)
Net-(C4-Pad2): length 33.6
  Top w0.25: v1(110,127.13) 108.95,127.13 ; 114.95,131.53 110.95,131.53 ; Q232.1 109.1,131.53 v1(109,131.63)
  Bottom w0.25: v1(109,131.63) 109,128.13 v1(110,127.13) 109.99,127.12 109.99,114.57 RV3.2 SW24.2
Net-(C6-Pad2): length 10.9
  Top w0.25: 86.64,107.23 84.5,107.23 84.5,108.75 82.6,110.65 82.6,110.7 82.61,110.69 82.61,111.18 ; 82.55,111.18 86.55,111.18
